# KiCad board tekskey-rounded.kicad_pcb (continued)
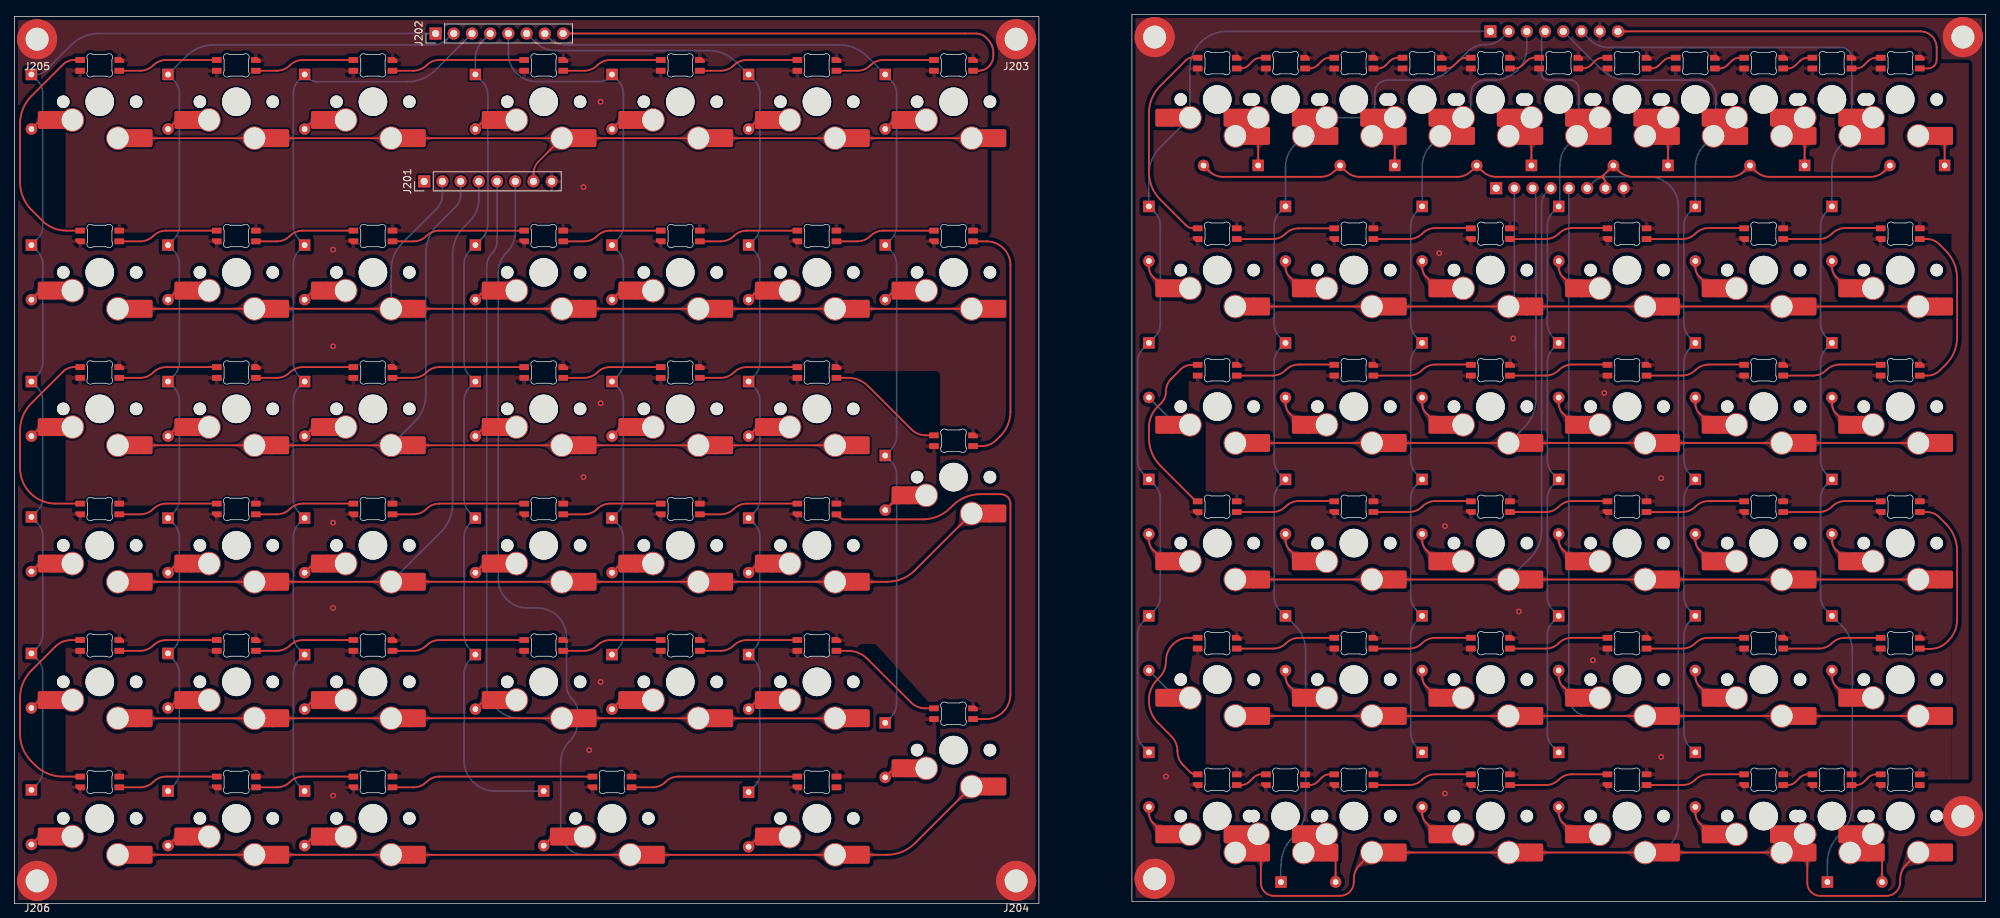
[diagram p0: board, top side]
## Copper pours and planes (outline as drawn; the poured copper is in the pictures) (continued)
col3 on Bottom: 213.99,22.49 214.1,22.28 214.19,22.09 214.26,21.93 214.31,21.79 214.36,21.65 214.4,21.52 214.49,21.23 214.54,21.05 214.61,20.85 215.65,20.83 215.63,21.87 215.44,21.93 215.26,21.97 214.95,22.03 214.81,22.06 214.68,22.11 214.56,22.18 214.44,22.28 214.32,22.42 214.21,22.61
col3 on Bottom: 215.41,98.9 215.4,98.72 215.37,98.58 215.33,98.46 215.27,98.36 215.2,98.28 215.12,98.2 214.94,98.03 214.84,97.93 214.73,97.8 215.28,96.92 216.14,97.51 216.09,97.68 216.03,97.82 215.97,97.95 215.9,98.06 215.84,98.16 215.78,98.27 215.73,98.39 215.69,98.53 215.67,98.7 215.66,98.9
col3 on Bottom: 214.21,57.72 214.32,57.91 214.44,58.05 214.56,58.15 214.68,58.22 214.81,58.27 214.95,58.3 215.26,58.36 215.44,58.4 215.63,58.46 215.65,59.5 214.61,59.48 214.54,59.27 214.49,59.1 214.4,58.81 214.36,58.67 214.31,58.54 214.26,58.4 214.19,58.24 214.1,58.05 213.99,57.84
col3 on Bottom: 218.87,107.94 219.05,108.1 219.23,108.21 219.4,108.28 219.58,108.32 219.75,108.33 219.92,108.31 220.09,108.28 220.25,108.23 220.42,108.18 220.58,108.13 221.8,110.1 219.48,110.09 219.44,109.89 219.41,109.69 219.38,109.5 219.35,109.32 219.3,109.13 219.24,108.94 219.16,108.75 219.04,108.55 218.89,108.34 218.69,108.12
col3 on Bottom: 218.69,109.05 218.83,108.93 218.98,108.84 219.12,108.78 219.26,108.73 219.4,108.7 219.64,108.65 219.74,108.63 219.83,108.59 219.9,108.54 221.88,109.92 219.48,110.07 219.43,109.87 219.39,109.72 219.34,109.57 219.29,109.43 219.23,109.3 219.15,109.21 219.07,109.15 218.97,109.16 218.87,109.23
col3 on Bottom: 218.69,109.05 218.74,108.98 218.73,108.93 218.68,108.88 218.59,108.85 218.49,108.83 218.37,108.81 218.25,108.81 218.15,108.8 218.06,108.8 218.01,108.8 217.56,106.41 219.07,108.32 219.05,108.36 219.04,108.43 219.04,108.5 219.05,108.59 219.05,108.69 219.05,108.8 219.04,108.91 219.01,109.02 218.95,109.13 218.87,109.23
col4 on Top: 238.98,108.69 238.76,108.93 238.57,109.13 238.42,109.32 238.29,109.49 238.18,109.65 238.07,109.81 237.96,109.97 237.84,110.14 237.69,110.33 237.51,110.53 236,109.93 236.66,108.45 236.86,108.46 237.04,108.48 237.21,108.48 237.36,108.48 237.51,108.46 237.65,108.42 237.8,108.36 237.95,108.27 238.11,108.14 238.28,107.99
col4 on Top: 238.1,108.16 238.33,107.93 238.51,107.72 238.66,107.53 238.79,107.36 238.91,107.2 239.01,107.04 239.13,106.88 239.25,106.71 239.4,106.53 239.58,106.32 241.09,106.92 240.42,108.4 240.23,108.39 240.05,108.38 239.88,108.37 239.73,108.38 239.58,108.4 239.43,108.43 239.29,108.5 239.14,108.59 238.98,108.71 238.81,108.87
col4 on Bottom: 237.16,110.43 237.14,110.06 237.07,109.76 236.97,109.52 236.84,109.32 236.68,109.14 236.49,108.98 236.29,108.82 236.08,108.63 235.86,108.42 235.64,108.15 236.79,106.35 238.55,107.57 238.44,107.93 238.3,108.23 238.15,108.48 238,108.71 237.85,108.92 237.71,109.14 237.59,109.39 237.49,109.67 237.43,110.01 237.41,110.43
col4 on Bottom: 237.61,107.64 237.88,107.87 238.13,108.03 238.37,108.12 238.6,108.17 238.83,108.17 239.07,108.14 239.32,108.11 239.59,108.07 239.89,108.05 240.23,108.05 240.85,110.1 238.78,110.64 238.58,110.31 238.44,110.01 238.34,109.73 238.28,109.47 238.22,109.21 238.16,108.96 238.06,108.69 237.92,108.42 237.72,108.13 237.44,107.81
col4 on Bottom: 239.19,109.57 238.9,109.31 238.63,109.13 238.37,109.01 238.12,108.95 237.88,108.92 237.63,108.9 237.36,108.89 237.08,108.87 236.76,108.81 236.41,108.71 236.37,106.57 238.51,106.61 238.61,106.96 238.67,107.28 238.69,107.56 238.7,107.83 238.72,108.08 238.75,108.32 238.81,108.57 238.93,108.83 239.11,109.1 239.37,109.39
col4 on Bottom: 234.88,104.48 235.06,104.82 235.25,105.06 235.47,105.22 235.7,105.32 235.95,105.37 236.22,105.4 236.51,105.42 236.82,105.45 237.15,105.5 237.5,105.6 237.54,107.74 235.4,107.7 235.28,107.32 235.2,107 235.15,106.71 235.11,106.44 235.09,106.18 235.05,105.92 235,105.65 234.93,105.34 234.81,104.99 234.65,104.58
col4 on Bottom: 233.04,22.49 233.15,22.28 233.24,22.09 233.31,21.93 233.36,21.79 233.41,21.65 233.45,21.52 233.54,21.23 233.59,21.05 233.66,20.85 234.7,20.83 234.68,21.87 234.49,21.93 234.31,21.97 234,22.03 233.86,22.06 233.73,22.11 233.61,22.18 233.49,22.28 233.37,22.42 233.26,22.61
col4 on Bottom: 217.28,120.63 217.15,120.78 217.06,120.92 216.99,121.05 216.95,121.17 216.93,121.29 216.92,121.42 216.9,121.55 216.89,121.69 216.86,121.85 216.8,122.02 215.7,122.04 215.72,120.94 215.9,120.89 216.05,120.86 216.19,120.84 216.32,120.83 216.45,120.81 216.57,120.79 216.7,120.75 216.82,120.69 216.96,120.59 217.11,120.46
col5 on Top: 257.15,108.16 257.38,107.93 257.56,107.72 257.71,107.53 257.84,107.36 257.96,107.2 258.06,107.04 258.18,106.88 258.3,106.71 258.45,106.53 258.63,106.32 260.14,106.92 259.47,108.4 259.28,108.39 259.1,108.38 258.93,108.37 258.78,108.38 258.63,108.4 258.48,108.43 258.34,108.5 258.19,108.59 258.03,108.71 257.86,108.87
col5 on Top: 258.03,108.69 257.81,108.93 257.62,109.13 257.47,109.32 257.34,109.49 257.23,109.65 257.12,109.81 257.01,109.97 256.89,110.14 256.74,110.33 256.56,110.53 255.05,109.93 255.71,108.45 255.91,108.46 256.09,108.48 256.26,108.48 256.41,108.48 256.56,108.46 256.7,108.42 256.85,108.36 257,108.27 257.16,108.14 257.33,107.99
col5 on Bottom: 258.24,109.57 257.95,109.31 257.68,109.13 257.42,109.01 257.17,108.95 256.93,108.92 256.68,108.9 256.41,108.89 256.13,108.87 255.81,108.81 255.46,108.71 255.42,106.57 257.56,106.61 257.66,106.96 257.72,107.28 257.74,107.56 257.75,107.83 257.77,108.08 257.8,108.32 257.86,108.57 257.98,108.83 258.16,109.1 258.42,109.39
col5 on Bottom: 252.31,57.72 252.42,57.91 252.54,58.05 252.66,58.15 252.78,58.22 252.91,58.27 253.05,58.3 253.36,58.36 253.54,58.4 253.73,58.46 253.75,59.5 252.71,59.48 252.64,59.27 252.59,59.1 252.5,58.81 252.46,58.67 252.41,58.54 252.36,58.4 252.29,58.24 252.2,58.05 252.09,57.84
col5 on Bottom: 253.93,104.48 254.11,104.82 254.3,105.06 254.52,105.22 254.75,105.32 255,105.37 255.27,105.4 255.56,105.42 255.87,105.45 256.2,105.5 256.55,105.6 256.59,107.74 254.45,107.7 254.33,107.32 254.25,107 254.2,106.71 254.16,106.44 254.14,106.18 254.1,105.92 254.05,105.65 253.98,105.34 253.86,104.99 253.7,104.58
col5 on Bottom: 252.71,4.61 252.7,4.42 252.67,4.27 252.63,4.14 252.57,4.03 252.51,3.93 252.43,3.84 252.36,3.74 252.27,3.64 252.19,3.51 252.11,3.36 252.83,2.62 253.55,3.36 253.47,3.51 253.39,3.64 253.31,3.74 253.23,3.84 253.15,3.93 253.09,4.03 253.03,4.14 252.99,4.27 252.97,4.42 252.96,4.61
col5 on Bottom: 253.34,98.9 253.33,98.72 253.3,98.56 253.26,98.44 253.21,98.33 253.14,98.23 253.07,98.14 252.99,98.04 252.91,97.94 252.83,97.81 252.75,97.66 253.47,96.91 254.19,97.66 254.11,97.81 254.02,97.94 253.94,98.04 253.86,98.14 253.79,98.23 253.72,98.33 253.67,98.44 253.63,98.56 253.6,98.72 253.59,98.9
col5 on Bottom: 252.09,79.64 252.2,79.43 252.29,79.24 252.36,79.08 252.41,78.94 252.46,78.8 252.5,78.67 252.59,78.38 252.64,78.2 252.71,78 253.75,77.98 253.73,79.02 253.54,79.08 253.36,79.12 253.05,79.18 252.91,79.21 252.78,79.26 252.66,79.33 252.54,79.43 252.42,79.57 252.31,79.76
col5 on Bottom: 252.31,95.82 252.42,96.01 252.54,96.15 252.66,96.25 252.78,96.32 252.91,96.37 253.05,96.4 253.36,96.46 253.54,96.5 253.73,96.56 253.75,97.6 252.71,97.58 252.64,97.37 252.59,97.2 252.5,96.91 252.46,96.77 252.41,96.64 252.36,96.5 252.29,96.34 252.2,96.15 252.09,95.94
col5 on Bottom: 256.14,110.44 256.12,110.07 256.05,109.76 255.95,109.52 255.82,109.31 255.66,109.13 255.48,108.96 255.28,108.79 255.08,108.6 254.86,108.37 254.65,108.1 255.88,106.34 257.58,107.64 257.45,107.99 257.31,108.28 257.15,108.53 256.99,108.75 256.84,108.96 256.7,109.17 256.57,109.41 256.47,109.69 256.41,110.03 256.39,110.44
col5 on Bottom: 252.09,60.59 252.2,60.38 252.29,60.19 252.36,60.03 252.41,59.89 252.46,59.75 252.5,59.62 252.59,59.33 252.64,59.15 252.71,58.95 253.75,58.93 253.73,59.97 253.54,60.03 253.36,60.07 253.05,60.13 252.91,60.16 252.78,60.21 252.66,60.28 252.54,60.38 252.42,60.52 252.31,60.71
col5 on Bottom: 252.31,76.77 252.42,76.96 252.54,77.1 252.66,77.2 252.78,77.27 252.91,77.32 253.05,77.35 253.36,77.41 253.54,77.45 253.73,77.51 253.75,78.55 252.71,78.53 252.64,78.32 252.59,78.15 252.5,77.86 252.46,77.72 252.41,77.59 252.36,77.45 252.29,77.29 252.2,77.1 252.09,76.89
col5 on Bottom: 220.39,120.2 220.15,120.36 219.97,120.52 219.83,120.67 219.73,120.83 219.65,120.99 219.59,121.16 219.54,121.34 219.48,121.55 219.42,121.77 219.34,122.02 218.24,122.04 218.26,120.94 218.52,120.85 218.73,120.77 218.92,120.7 219.09,120.63 219.26,120.56 219.42,120.48 219.59,120.39 219.78,120.28 220,120.15 220.26,119.98
col5 on Bottom: 256.66,107.64 256.93,107.87 257.18,108.03 257.42,108.12 257.65,108.17 257.88,108.17 258.12,108.14 258.37,108.11 258.64,108.07 258.94,108.05 259.28,108.05 259.9,110.1 257.83,110.64 257.63,110.31 257.49,110.01 257.39,109.73 257.33,109.47 257.27,109.21 257.21,108.96 257.11,108.69 256.97,108.42 256.77,108.13 256.49,107.81
LEDIN on Top: 225.31,121.87 225.11,121.88 224.95,121.9 224.81,121.95 224.7,122.01 224.59,122.08 224.5,122.16 224.4,122.24 224.28,122.33 224.15,122.42 223.99,122.51 223.2,121.74 223.99,120.98 224.15,121.06 224.28,121.15 224.4,121.24 224.5,121.32 224.59,121.4 224.7,121.47 224.81,121.53 224.95,121.58 225.11,121.61 225.31,121.62
ncol0 on Bottom: 3.54,17.37 3.43,17.18 3.31,17.04 3.19,16.94 3.07,16.87 2.94,16.82 2.8,16.79 2.49,16.73 2.31,16.69 2.12,16.63 2.1,15.59 3.14,15.61 3.2,15.81 3.26,15.99 3.35,16.28 3.39,16.42 3.44,16.55 3.49,16.69 3.56,16.85 3.65,17.04 3.76,17.25
ncol0 on Bottom: 3.88,116.06 3.73,115.99 3.6,115.96 3.49,115.97 3.38,116 3.28,116.06 3.18,116.13 3.08,116.22 2.97,116.3 2.85,116.38 2.71,116.46 1.98,115.72 2.78,115.03 2.93,115.12 3.06,115.21 3.17,115.28 3.27,115.35 3.46,115.49 3.57,115.57 3.69,115.65 3.83,115.74 4.01,115.84
ncol0 on Bottom: 3.54,93.41 3.43,93.22 3.31,93.08 3.19,92.98 3.07,92.91 2.94,92.86 2.8,92.83 2.49,92.77 2.31,92.73 2.12,92.67 2.1,91.63 3.14,91.65 3.2,91.86 3.26,92.03 3.35,92.32 3.39,92.46 3.44,92.59 3.49,92.73 3.56,92.89 3.65,93.08 3.76,93.29
ncol0 on Bottom: 3.76,114.35 3.65,114.57 3.56,114.75 3.49,114.91 3.44,115.05 3.39,115.19 3.35,115.32 3.26,115.62 3.2,115.79 3.14,115.99 2.1,116.01 2.12,114.97 2.31,114.92 2.49,114.88 2.8,114.82 2.94,114.78 3.07,114.73 3.19,114.66 3.31,114.56 3.43,114.42 3.54,114.24
ncol0 on Bottom: 3.76,33.55 3.65,33.76 3.56,33.95 3.49,34.11 3.44,34.25 3.39,34.38 3.35,34.52 3.26,34.81 3.2,34.99 3.14,35.19 2.1,35.21 2.12,34.17 2.31,34.11 2.49,34.07 2.8,34.01 2.94,33.98 3.07,33.93 3.19,33.86 3.31,33.76 3.43,33.62 3.54,33.43
ncol0 on Bottom: 57.05,121.32 57.25,121.31 57.41,121.28 57.55,121.23 57.66,121.17 57.76,121.1 57.86,121.03 57.96,120.94 58.08,120.85 58.21,120.77 58.37,120.68 59.16,121.44 58.37,122.21 58.21,122.12 58.08,122.03 57.96,121.95 57.86,121.86 57.76,121.78 57.66,121.71 57.55,121.65 57.41,121.61 57.25,121.58 57.05,121.57
ncol0 on Bottom: 3.76,90.54 3.65,90.75 3.56,90.94 3.49,91.1 3.44,91.24 3.39,91.38 3.35,91.51 3.26,91.8 3.2,91.98 3.14,92.18 2.1,92.2 2.12,91.16 2.31,91.1 2.49,91.06 2.8,91 2.94,90.97 3.07,90.92 3.19,90.85 3.31,90.75 3.43,90.61 3.54,90.42
ncol0 on Bottom: 3.54,36.42 3.43,36.23 3.31,36.09 3.19,35.99 3.07,35.92 2.94,35.87 2.8,35.84 2.49,35.78 2.31,35.74 2.12,35.68 2.1,34.64 3.14,34.66 3.2,34.86 3.26,35.04 3.35,35.33 3.39,35.47 3.44,35.6 3.49,35.74 3.56,35.9 3.65,36.09 3.76,36.3
ncol1 on Bottom: 22.81,52.44 22.7,52.65 22.61,52.84 22.54,53 22.49,53.14 22.44,53.28 22.4,53.41 22.31,53.7 22.25,53.88 22.19,54.08 21.15,54.1 21.17,53.06 21.36,53 21.54,52.96 21.85,52.9 21.99,52.87 22.12,52.82 22.24,52.75 22.36,52.65 22.48,52.51 22.59,52.32
ncol1 on Bottom: 22.59,17.21 22.48,17.02 22.36,16.88 22.24,16.78 22.12,16.71 21.99,16.66 21.85,16.63 21.54,16.57 21.36,16.53 21.17,16.47 21.15,15.43 22.19,15.45 22.25,15.66 22.31,15.83 22.4,16.12 22.44,16.26 22.49,16.39 22.54,16.53 22.61,16.69 22.7,16.88 22.81,17.09
ncol1 on Bottom: 22.81,71.49 22.7,71.7 22.61,71.89 22.54,72.05 22.49,72.19 22.44,72.33 22.4,72.46 22.31,72.75 22.25,72.93 22.19,73.13 21.15,73.15 21.17,72.11 21.36,72.05 21.54,72.01 21.85,71.95 21.99,71.92 22.12,71.87 22.24,71.8 22.36,71.7 22.48,71.56 22.59,71.37
ncol1 on Bottom: 22.59,93.41 22.48,93.22 22.36,93.08 22.24,92.98 22.12,92.91 21.99,92.86 21.85,92.83 21.54,92.77 21.36,92.73 21.17,92.67 21.15,91.63 22.19,91.65 22.25,91.86 22.31,92.03 22.4,92.32 22.44,92.46 22.49,92.59 22.54,92.73 22.61,92.89 22.7,93.08 22.81,93.29
ncol1 on Bottom: 22.81,90.54 22.7,90.75 22.61,90.94 22.54,91.1 22.49,91.24 22.44,91.38 22.4,91.51 22.31,91.8 22.25,91.98 22.19,92.18 21.15,92.2 21.17,91.16 21.36,91.1 21.54,91.06 21.85,91 21.99,90.97 22.12,90.92 22.24,90.85 22.36,90.75 22.48,90.61 22.59,90.42
ncol1 on Bottom: 59.7,120.04 59.92,120.15 60.12,120.25 60.29,120.32 60.44,120.38 60.58,120.42 60.72,120.46 60.87,120.49 61.04,120.53 61.23,120.57 61.45,120.61 61.61,121.7 60.52,121.83 60.43,121.62 60.36,121.43 60.31,121.25 60.27,121.08 60.22,120.93 60.16,120.79 60.07,120.65 59.96,120.52 59.8,120.39 59.58,120.26
ncol1 on Bottom: 22.59,74.36 22.48,74.17 22.36,74.03 22.24,73.93 22.12,73.86 21.99,73.81 21.85,73.78 21.54,73.72 21.36,73.68 21.17,73.62 21.15,72.58 22.19,72.6 22.25,72.81 22.31,72.98 22.4,73.27 22.44,73.41 22.49,73.54 22.54,73.68 22.61,73.84 22.7,74.03 22.81,74.24
ncol1 on Bottom: 22.81,33.39 22.7,33.61 22.6,33.8 22.52,33.96 22.46,34.1 22.41,34.24 22.37,34.38 22.33,34.52 22.3,34.68 22.26,34.86 22.22,35.08 21.19,35.24 21.07,34.21 21.27,34.12 21.45,34.05 21.62,34 21.78,33.95 21.93,33.9 22.07,33.84 22.21,33.76 22.34,33.64 22.46,33.48 22.59,33.27
ncol1 on Bottom: 22.47,116.94 22.33,116.82 22.2,116.73 22.08,116.67 21.96,116.63 21.85,116.61 21.73,116.59 21.61,116.58 21.48,116.56 21.33,116.53 21.17,116.48 21.15,115.45 22.19,115.47 22.23,115.63 22.26,115.77 22.28,115.91 22.29,116.03 22.31,116.15 22.33,116.26 22.37,116.38 22.43,116.5 22.52,116.63 22.64,116.76
ncol1 on Bottom: 22.59,55.31 22.48,55.12 22.36,54.98 22.24,54.88 22.12,54.81 21.99,54.76 21.85,54.73 21.54,54.67 21.36,54.63 21.17,54.57 21.15,53.53 22.19,53.55 22.25,53.76 22.31,53.93 22.4,54.22 22.44,54.36 22.49,54.49 22.54,54.63 22.61,54.79 22.7,54.98 22.81,55.19
ncol1 on Bottom: 22.81,114.35 22.7,114.57 22.61,114.75 22.54,114.91 22.49,115.05 22.44,115.19 22.4,115.32 22.31,115.62 22.25,115.79 22.19,115.99 21.15,116.01 21.17,114.97 21.36,114.92 21.54,114.88 21.85,114.82 21.99,114.78 22.12,114.73 22.24,114.66 22.36,114.56 22.48,114.42 22.59,114.24
ncol1 on Bottom: 22.59,36.26 22.49,36.1 22.39,35.97 22.28,35.89 22.17,35.83 22.05,35.79 21.92,35.77 21.78,35.76 21.63,35.75 21.47,35.74 21.3,35.71 21.11,34.69 22.14,34.55 22.23,34.74 22.31,34.9 22.36,35.04 22.41,35.18 22.5,35.44 22.55,35.59 22.62,35.75 22.7,35.93 22.81,36.14
ncol2 on Bottom: 39.1,17.09 39.21,16.88 39.3,16.69 39.37,16.53 39.43,16.39 39.47,16.26 39.52,16.12 39.6,15.83 39.66,15.66 39.73,15.45 40.76,15.43 40.74,16.47 40.55,16.53 40.38,16.57 40.06,16.63 39.92,16.66 39.79,16.71 39.67,16.78 39.55,16.88 39.44,17.02 39.32,17.21
ncol2 on Bottom: 39.1,36.14 39.21,35.93 39.3,35.74 39.37,35.58 39.43,35.44 39.47,35.31 39.52,35.17 39.6,34.88 39.66,34.71 39.73,34.5 40.76,34.48 40.74,35.52 40.55,35.58 40.38,35.62 40.06,35.68 39.92,35.71 39.79,35.76 39.67,35.83 39.55,35.93 39.44,36.07 39.32,36.26
ncol2 on Bottom: 62.71,120.16 62.86,120.29 63,120.39 63.12,120.45 63.25,120.49 63.37,120.52 63.49,120.53 63.63,120.54 63.77,120.56 63.92,120.59 64.1,120.64 64.12,121.74 63.01,121.72 62.96,121.55 62.93,121.39 62.92,121.25 62.9,121.12 62.89,121 62.87,120.87 62.83,120.75 62.76,120.62 62.67,120.49 62.53,120.34
ncol2 on Bottom: 41.78,114.9 41.63,114.95 41.51,115.03 41.44,115.11 41.39,115.21 41.35,115.32 41.34,115.44 41.32,115.57 41.3,115.71 41.28,115.86 41.23,116.01 40.19,116 40.27,114.96 40.44,114.91 40.59,114.88 40.72,114.85 40.84,114.83 41.08,114.8 41.21,114.78 41.35,114.75 41.52,114.71 41.72,114.66
ncol2 on Bottom: 39.32,114.24 39.44,114.42 39.55,114.56 39.67,114.66 39.79,114.73 39.92,114.78 40.06,114.82 40.38,114.88 40.55,114.92 40.74,114.97 40.76,116.01 39.73,115.99 39.66,115.79 39.6,115.62 39.52,115.32 39.47,115.19 39.43,115.05 39.37,114.91 39.3,114.75 39.21,114.57 39.1,114.35
ncol2 on Bottom: 39.32,33.27 39.44,33.46 39.55,33.6 39.67,33.7 39.79,33.77 39.92,33.82 40.06,33.85 40.38,33.91 40.55,33.95 40.74,34.01 40.76,35.05 39.73,35.03 39.66,34.83 39.6,34.65 39.52,34.36 39.47,34.23 39.43,34.09 39.37,33.95 39.3,33.79 39.21,33.6 39.1,33.39
ncol3 on Bottom: 64.91,119.68 65.06,119.9 65.21,120.08 65.35,120.21 65.5,120.3 65.66,120.37 65.82,120.42 66,120.47 66.19,120.51 66.4,120.57 66.64,120.64 66.66,121.74 65.55,121.72 65.47,121.48 65.4,121.27 65.34,121.09 65.28,120.93 65.21,120.77 65.14,120.62 65.06,120.45 64.96,120.27 64.84,120.06 64.7,119.81
ncol3 on Bottom: 62.92,74.24 63.03,74.03 63.11,73.84 63.18,73.68 63.24,73.54 63.29,73.41 63.33,73.27 63.42,72.98 63.47,72.81 63.54,72.6 64.58,72.58 64.56,73.62 64.36,73.68 64.19,73.72 63.88,73.78 63.74,73.81 63.61,73.86 63.48,73.93 63.36,74.03 63.25,74.17 63.14,74.36
ncol3 on Bottom: 64.17,117.32 64.16,117.13 64.13,116.98 64.09,116.85 64.04,116.74 63.97,116.64 63.9,116.55 63.82,116.46 63.74,116.35 63.65,116.23 63.57,116.08 64.29,115.33 65.01,116.08 64.93,116.23 64.85,116.35 64.77,116.46 64.69,116.55 64.62,116.64 64.55,116.74 64.5,116.85 64.46,116.98 64.43,117.13 64.42,117.32
ncol3 on Bottom: 65.75,114.29 65.63,114.51 65.53,114.7 65.45,114.87 65.38,115.01 65.33,115.15 65.28,115.29 65.23,115.44 65.18,115.6 65.12,115.78 65.05,115.99 64.01,116.01 64.03,114.97 64.23,114.91 64.42,114.87 64.59,114.83 64.75,114.8 64.89,114.76 65.03,114.7 65.16,114.62 65.28,114.51 65.41,114.36 65.53,114.17
ncol3 on Bottom: 63.14,71.37 63.25,71.56 63.36,71.7 63.48,71.8 63.61,71.87 63.74,71.92 63.88,71.95 64.19,72.01 64.36,72.05 64.56,72.11 64.58,73.15 63.54,73.13 63.47,72.93 63.42,72.75 63.33,72.46 63.29,72.33 63.24,72.19 63.18,72.05 63.11,71.89 63.03,71.7 62.92,71.49
ncol3 on Bottom: 72.23,15.59 72.42,15.58 72.57,15.55 72.7,15.51 72.81,15.46 72.9,15.39 73,15.32 73.09,15.24 73.2,15.16 73.32,15.08 73.47,15 74.22,15.72 73.47,16.44 73.32,16.36 73.2,16.27 73.09,16.19 73,16.11 72.9,16.04 72.81,15.97 72.7,15.92 72.57,15.88 72.42,15.85 72.23,15.84
ncol4 on Bottom: 84.5,36.26 84.39,36.07 84.27,35.93 84.15,35.83 84.03,35.76 83.9,35.71 83.76,35.68 83.45,35.62 83.27,35.58 83.08,35.52 83.06,34.48 84.1,34.5 84.17,34.71 84.22,34.88 84.31,35.17 84.35,35.31 84.4,35.44 84.45,35.58 84.52,35.74 84.61,35.93 84.72,36.14
ncol4 on Bottom: 84.72,114.35 84.61,114.57 84.52,114.75 84.45,114.91 84.4,115.05 84.35,115.19 84.31,115.32 84.22,115.62 84.17,115.79 84.1,115.99 83.06,116.01 83.08,114.97 83.27,114.92 83.45,114.88 83.76,114.82 83.9,114.78 84.03,114.73 84.15,114.66 84.27,114.56 84.39,114.42 84.5,114.24
ncol4 on Bottom: 82.1,114.66 82.3,114.71 82.47,114.75 82.61,114.78 82.74,114.8 82.97,114.83 83.1,114.85 83.23,114.88 83.38,114.91 83.55,114.96 83.63,116 82.6,116.01 82.55,115.86 82.52,115.72 82.5,115.58 82.49,115.45 82.47,115.33 82.44,115.21 82.39,115.12 82.31,115.03 82.19,114.96 82.04,114.9
ncol4 on Bottom: 69.02,119.75 69.03,119.95 69.06,120.12 69.11,120.25 69.17,120.37 69.24,120.47 69.32,120.57 69.4,120.67 69.49,120.78 69.58,120.91 69.66,121.07 68.9,121.87 68.13,121.07 68.22,120.91 68.31,120.78 68.4,120.67 68.48,120.57 68.56,120.47 68.63,120.37 68.69,120.25 68.73,120.12 68.76,119.95 68.77,119.75
ncol5 on Bottom: 103.77,114.35 103.66,114.57 103.57,114.75 103.5,114.91 103.45,115.05 103.4,115.19 103.36,115.32 103.27,115.62 103.22,115.79 103.15,115.99 102.11,116.01 102.13,114.97 102.32,114.92 102.5,114.88 102.81,114.82 102.95,114.78 103.08,114.73 103.2,114.66 103.32,114.56 103.44,114.42 103.55,114.24
ncol5 on Bottom: 103.55,93.41 103.44,93.22 103.32,93.08 103.2,92.98 103.08,92.91 102.95,92.86 102.81,92.83 102.5,92.77 102.32,92.73 102.13,92.67 102.11,91.63 103.15,91.65 103.22,91.86 103.27,92.03 103.36,92.32 103.4,92.46 103.45,92.59 103.5,92.73 103.57,92.89 103.66,93.08 103.77,93.29
ncol5 on Bottom: 73.36,119.82 73.11,120 72.92,120.16 72.77,120.33 72.66,120.49 72.57,120.65 72.5,120.83 72.45,121.02 72.39,121.23 72.32,121.46 72.24,121.72 71.14,121.74 71.16,120.64 71.42,120.55 71.65,120.47 71.84,120.39 72.02,120.32 72.19,120.24 72.35,120.15 72.53,120.05 72.73,119.93 72.95,119.79 73.22,119.61
ncol5 on Bottom: 103.77,90.54 103.66,90.75 103.57,90.94 103.5,91.1 103.45,91.24 103.4,91.38 103.36,91.51 103.27,91.8 103.22,91.98 103.15,92.18 102.11,92.2 102.13,91.16 102.32,91.1 102.5,91.06 102.81,91 102.95,90.97 103.08,90.92 103.2,90.85 103.32,90.75 103.44,90.61 103.55,90.42
ncol5 on Bottom: 103.55,17.05 103.44,16.86 103.32,16.72 103.2,16.62 103.08,16.55 102.95,16.5 102.81,16.47 102.5,16.41 102.32,16.37 102.13,16.31 102.11,15.27 103.15,15.29 103.22,15.5 103.27,15.67 103.36,15.96 103.4,16.1 103.45,16.23 103.5,16.38 103.57,16.54 103.66,16.72 103.77,16.93
ncol5 on Bottom: 101.18,116.76 101.31,116.63 101.4,116.5 101.46,116.38 101.49,116.26 101.52,116.15 101.53,116.03 101.54,115.91 101.56,115.77 101.59,115.63 101.64,115.47 102.68,115.45 102.66,116.48 102.49,116.53 102.35,116.56 102.22,116.58 102.09,116.59 101.97,116.61 101.86,116.63 101.74,116.67 101.62,116.73 101.5,116.82 101.36,116.94
ncol6 on Bottom: 120.23,116.76 120.36,116.63 120.45,116.5 120.51,116.38 120.54,116.26 120.57,116.15 120.58,116.03 120.59,115.91 120.61,115.77 120.64,115.63 120.69,115.47 121.73,115.45 121.71,116.48 121.54,116.53 121.4,116.56 121.27,116.58 121.14,116.59 121.02,116.61 120.91,116.63 120.79,116.67 120.67,116.73 120.55,116.82 120.41,116.94
ncol6 on Bottom: 75.51,120.26 75.32,120.38 75.18,120.49 75.08,120.61 75.01,120.74 74.96,120.88 74.93,121.02 74.88,121.35 74.84,121.53 74.78,121.72 73.68,121.74 73.7,120.64 73.91,120.57 74.09,120.52 74.25,120.47 74.39,120.43 74.53,120.4 74.67,120.35 74.82,120.3 74.99,120.24 75.18,120.15 75.4,120.04
ncol6 on Bottom: 122.6,26.73 122.49,26.55 122.37,26.41 122.25,26.31 122.13,26.24 122,26.19 121.86,26.15 121.55,26.09 121.37,26.05 121.18,26 121.16,24.96 122.2,24.98 122.27,25.18 122.32,25.35 122.41,25.65 122.45,25.78 122.5,25.92 122.55,26.06 122.62,26.22 122.71,26.4 122.82,26.62
ncol6 on Bottom: 122.82,114.35 122.71,114.57 122.62,114.75 122.55,114.91 122.5,115.05 122.45,115.19 122.41,115.32 122.32,115.62 122.27,115.79 122.2,115.99 121.16,116.01 121.18,114.97 121.37,114.92 121.55,114.88 121.86,114.82 122,114.78 122.13,114.73 122.25,114.66 122.37,114.56 122.49,114.42 122.6,114.24
nLEDIN on Top: 78.21,121.57 78.01,121.58 77.84,121.61 77.71,121.65 77.59,121.71 77.49,121.78 77.39,121.86 77.29,121.95 77.18,122.03 77.05,122.12 76.89,122.21 76.09,121.44 76.89,120.68 77.05,120.77 77.18,120.85 77.29,120.94 77.39,121.03 77.49,121.1 77.59,121.17 77.71,121.23 77.84,121.28 78.01,121.31 78.21,121.32
nLEDIN on Top: 134.88,116.41 134.74,116.39 134.62,116.38 134.51,116.37 134.42,116.38 134.33,116.4 134.25,116.43 134.17,116.47 134.08,116.51 133.98,116.56 133.87,116.62 133.49,116.25 133.87,115.88 133.99,115.93 134.09,115.98 134.19,116.01 134.27,116.04 134.36,116.06 134.45,116.08 134.65,116.12 134.78,116.14 134.93,116.17
nrow0 on Top: 30.21,106.71 30.6,106.69 30.92,106.63 31.18,106.53 31.4,106.4 31.6,106.25 31.79,106.08 31.98,105.9 32.2,105.71 32.46,105.53 32.78,105.35 34.32,106.84 32.78,108.32 32.46,108.15 32.2,107.97 31.98,107.78 31.79,107.6 31.6,107.43 31.4,107.28 31.18,107.15 30.92,107.05 30.6,106.99 30.21,106.96
nrow0 on Top: 39.54,106.96 39.24,106.98 39,107.03 38.8,107.1 38.63,107.19 38.48,107.3 38.34,107.43 38.19,107.56 38.02,107.7 37.83,107.83 37.59,107.96 36.42,106.84 37.59,105.71 37.83,105.84 38.02,105.98 38.19,106.12 38.34,106.25 38.48,106.37 38.63,106.48 38.8,106.58 39,106.65 39.24,106.7 39.54,106.71
nrow0 on Top: 49.26,106.71 49.65,106.69 49.97,106.63 50.23,106.53 50.45,106.4 50.65,106.25 50.84,106.08 51.03,105.9 51.25,105.71 51.51,105.53 51.83,105.35 53.37,106.84 51.83,108.32 51.51,108.15 51.25,107.97 51.03,107.78 50.84,107.6 50.65,107.43 50.45,107.28 50.23,107.15 49.97,107.05 49.65,106.99 49.26,106.96
nrow0 on Top: 58.59,106.96 58.29,106.98 58.05,107.03 57.85,107.1 57.68,107.19 57.53,107.3 57.39,107.43 57.24,107.56 57.07,107.7 56.88,107.83 56.64,107.96 55.47,106.84 56.64,105.71 56.88,105.84 57.07,105.98 57.24,106.12 57.39,106.25 57.53,106.37 57.68,106.48 57.85,106.58 58.05,106.65 58.29,106.7 58.59,106.71
nrow0 on Top: 92.12,106.71 92.51,106.69 92.83,106.63 93.09,106.53 93.32,106.4 93.51,106.25 93.7,106.08 93.89,105.9 94.11,105.71 94.37,105.53 94.69,105.35 96.23,106.84 94.69,108.32 94.37,108.15 94.11,107.97 93.89,107.78 93.7,107.6 93.51,107.43 93.32,107.28 93.09,107.15 92.83,107.05 92.51,106.99 92.12,106.96
nrow0 on Top: 120.5,106.96 120.2,106.98 119.96,107.03 119.76,107.1 119.59,107.19 119.44,107.3 119.3,107.43 119.15,107.56 118.99,107.7 118.79,107.83 118.55,107.96 117.38,106.84 118.55,105.71 118.79,105.84 118.99,105.98 119.15,106.12 119.3,106.25 119.44,106.37 119.59,106.48 119.76,106.58 119.96,106.65 120.2,106.7 120.5,106.71
nrow0 on Top: 72.42,102.71 72.33,102.49 72.25,102.31 72.18,102.15 72.11,102.02 72.04,101.9 71.89,101.66 71.81,101.52 71.72,101.36 71.62,101.18 72.39,100.38 73.15,101.18 73.06,101.35 72.96,101.49 72.87,101.62 72.78,101.74 72.7,101.86 72.63,101.98 72.59,102.11 72.58,102.26 72.59,102.43 72.65,102.63
